# Altium PCB rezerv.PcbDoc (part 2 of 2)
Units mm, origin at the board's own origin, x right, y up, seen from the top; angles counter-clockwise.
Board outline 180 x 100 mm, 4 copper layers (Top Layer 1, Signal1, Signal2, Bottom Layer 1), stack 2.572 mm thick; 321 components, 212 nets, 1103 pads, 27 vias.
Unrouted connection lines stored in the file: 320.
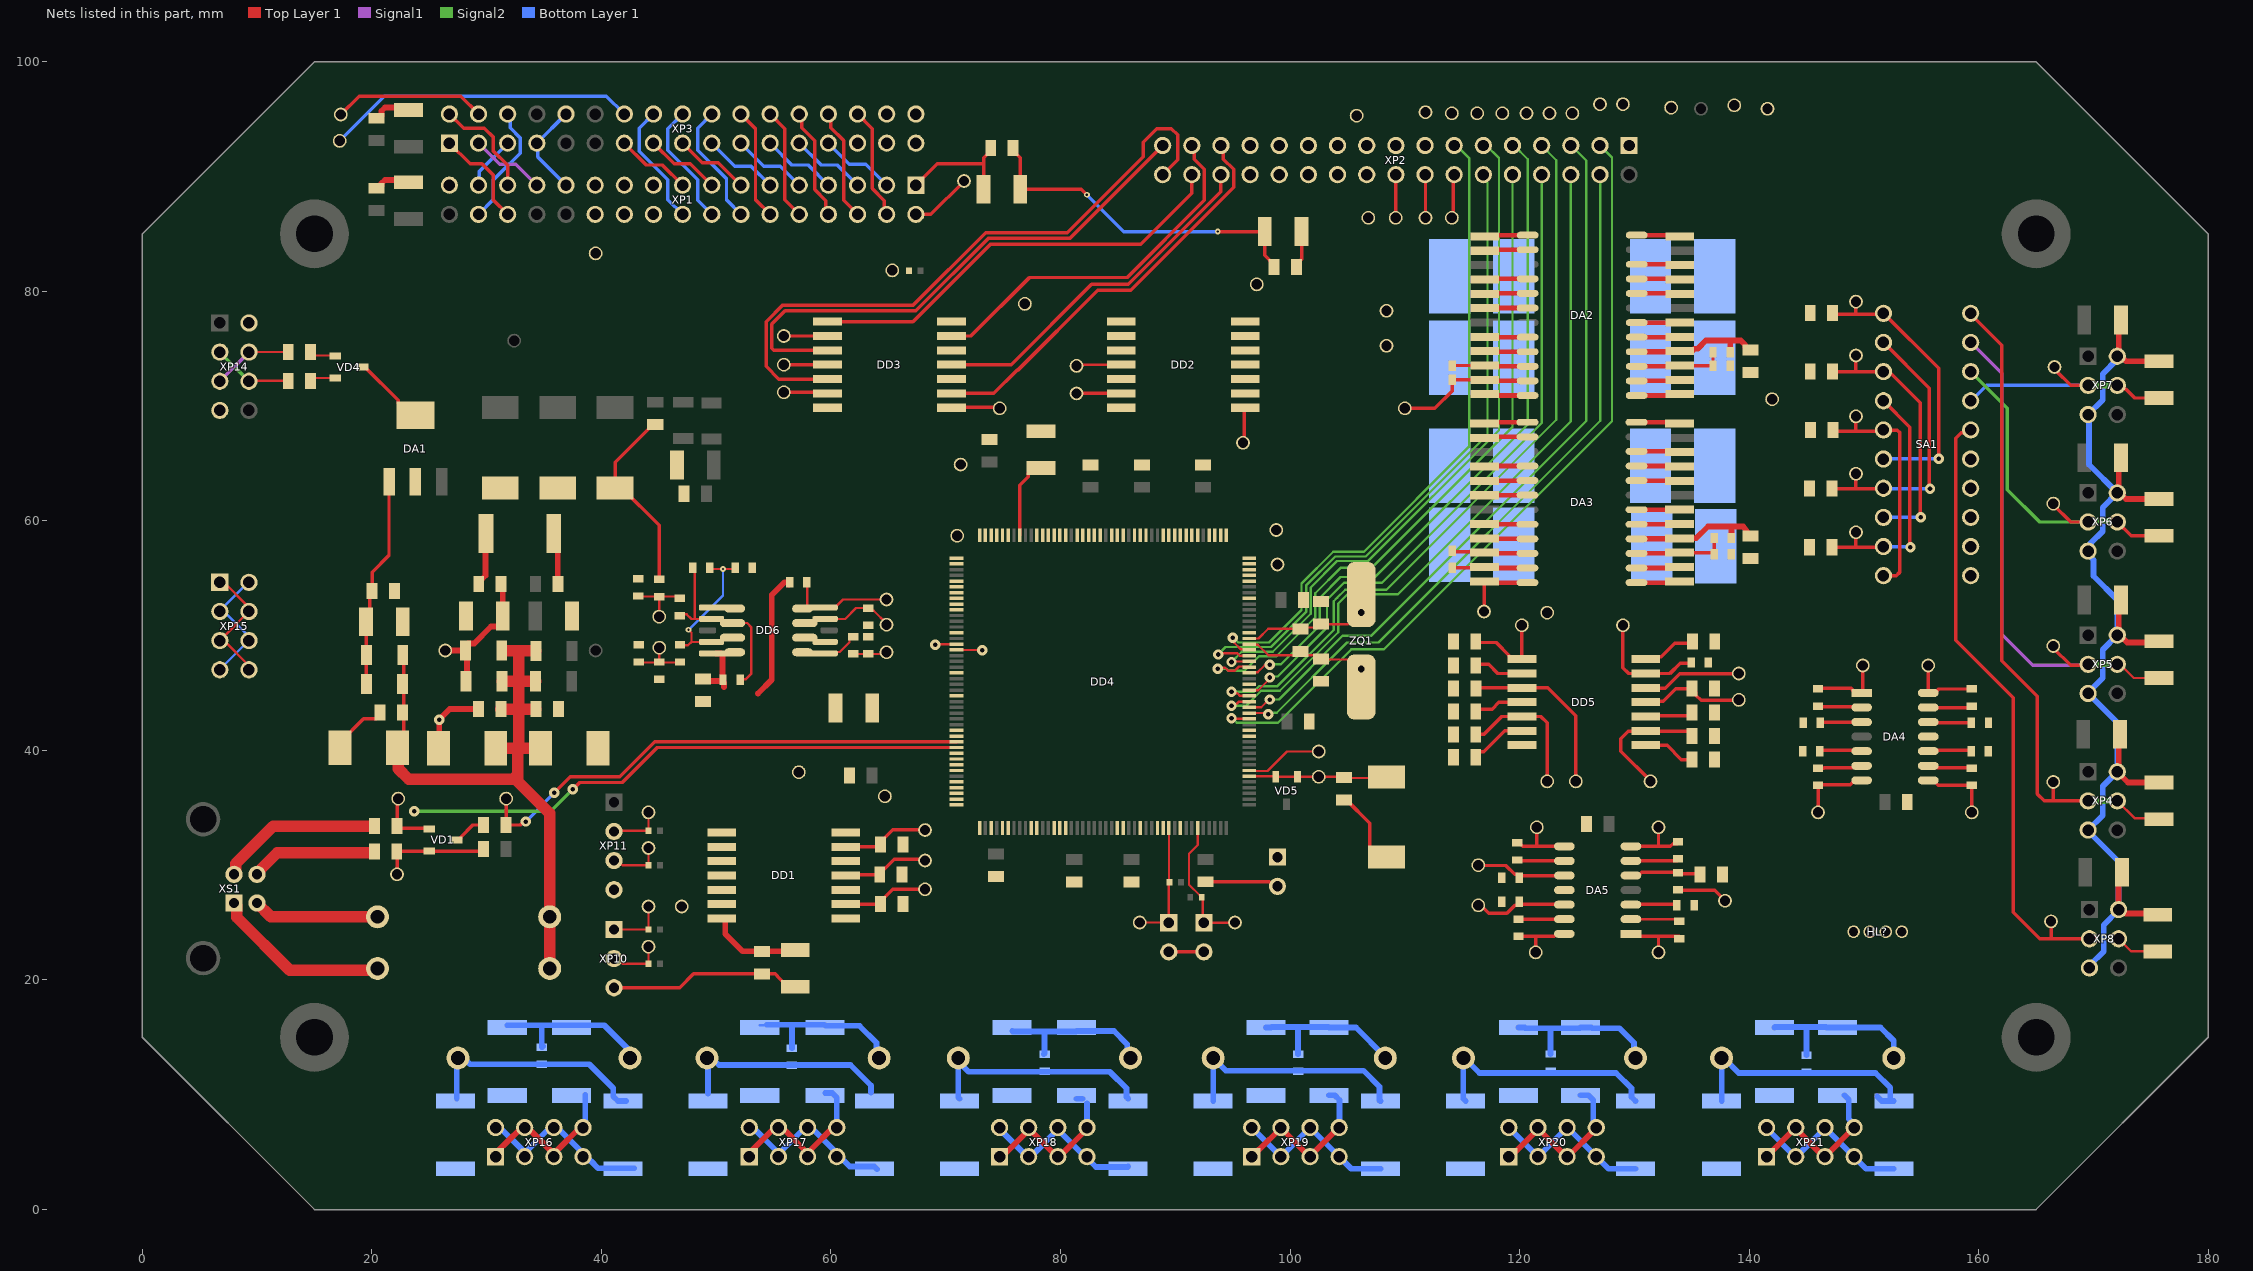
[diagram p4: the nets of this part, all layers, seen from the top]

## Via types
v1: diameter 0.9, hole 0.4, Top Layer 1 to Bottom Layer 1, 22 vias
v2: diameter 0.5, hole 0.2, Top Layer 1 to Bottom Layer 1, 4 vias
v3: diameter 0.9, hole 0.4, Signal1 to Signal2, 1 vias

## Nets (pads, with @x,y where several pads share a name; then routed paths per layer and width w, separated by ;. In a path a pad name is that pad's centre, name@x,y a point inside that pad or via, vN(x,y) a via of type N, cw(c..) or ccw(c..) an arc to the next point about the centre after c; other vN are vias at no path point) (continued)
+5V_D: C7.2 C8.1 C12.2 C24.2 C25.2 C26.1 C33.2 C34.1 C51.1 C52.1 C68.2 C69.2 DA2.16 DA3.16 DD1.14 DD2.14 DD3.14 DD5.14 DD6.8 KT42.1 L2.2 R6.2 R19.1 R20.1 R30.1 R34.2 R35.2 R36.2 R37.2 R38.2 R46.1 | length 88.2
  Top Layer 1 w0.3: C34.1@75.875,92.5 75.875,92.275 76.5,91.65 C33.2@76.5,88.9 81.8,88.9 v2(82.3,88.4) ; v2(93.7,85.2) C25.2@97.8,85.2 97.8,83.125 98.6,82.325 C26.1@98.6,82.1 ; DD5.14@131,47.95 131.2,48.15 132.35,48.15 133.517,49.317 134.775,49.317 C69.2@134.958,49.5
  Top Layer 1 w0.5: KT42.1@26.4,48.7 28.167,48.7 R6.2@28.172,48.694 ; L2.2@28.205,46.022 28.282,46.1 28.3,46.1 28.3,48.567 R6.2@28.172,48.694 ; C24.2@31.4,54.7 C12.2@31.4,51.7 31.4,51.05 31.145,50.795 30.395,50.795 28.919,49.319 28.397,49.319 28.172,49.094 R6.2@28.172,48.694 ; C68.2@48.846,46.225 49.021,46.05 R30.1@50.546,46.05 ; DD6.8@49.996,48.45 50.398,48.45 50.546,48.302 50.546,46.2 R30.1@50.596,46.15 50.596,46.1 R30.1@50.546,46.05 ; DD1.14@50.5,25.35 50.65,25.35 50.7,25.4 50.8,25.3 50.8,24 52.3,22.5 56.8,22.5 C7.2@56.9,22.6 ; 50.679,45.517 50.679,45.917 R30.1@50.546,46.05 ; 53.646,44.95 54.846,46.15 54.846,53.55 55.946,54.65 R46.1@56.246,54.65 ; R46.1@56.321,54.457 56.396,54.532 R46.1@56.396,54.65 ; DA3.16@133.936,58.479 135.379,58.479 136.4,59.5 138.45,59.5 ; DA2.16@133.95,74.78 134.05,74.88 135.123,74.88 135.243,75 135.52,75 136.22,75.7 138.34,75.7 ; R19.1@138.35,74.7 138.34,74.71 138.34,75.7 ; R20.1@138.45,58.5 138.45,59.5 ; C52.1@140.1,58.675 139.472,59.5 138.45,59.5 ; C51.1@140.1,74.875 139.875,74.875 139.65,75.1 139.65,75.32 139.27,75.7 138.34,75.7
  Bottom Layer 1 w0.3: v2(82.3,88.4) 85.5,85.2 v2(93.7,85.2)
+5V_I: C5.2 C6.2 C9.2 C10.2 C30.2 C32.2 L1.1 L2.1 L4.1 R5.1 R6.1 R18.1 VD2.K VD3.K | length 63
  Top Layer 1 w0.2: C5.2@22.242,40.216 22.242,40.742 C5.2@22.8,41.3 ; R5.1@22.699,48.323 R5.1@22.8,48.222 ; VD2.K@35.487,21.013 VD2.K@35.5,21
  Top Layer 1 w0.3: C5.2@22.8,41.3 R5.1@22.8,48.222
  Top Layer 1 w1: C5.2@22.242,40.216 22.3,40.158 22.3,38.4 23.2,37.5 32.5,37.5 ; C6.2@30.8,40.2 32.7,40.2 ; C10.2@31.25,43.6 32.8,43.6 ; L2.1@31.355,46.022 32.778,46.022 32.8,46 ; R6.1@31.394,48.694 31.4,48.7 32.8,48.7 ; 32.4,37.6 32.5,37.5 ; L4.1@34.269,46.022 32.822,46.022 32.8,46 ; C32.2@34.3,43.6 32.8,43.6 ; R18.1@34.3,48.67 34.27,48.7 32.8,48.7 ; C30.2@34.7,40.2 32.8,40.2 ; VD2.K@35.487,21.013 35.487,34.513 32.5,37.5 ; 32.5,37.5 32.7,37.5 32.7,40.2 ; 32.7,40.2 32.8,40.1 32.8,40.2 ; 32.8,40.2 32.8,43.6 ; 32.8,43.6 32.8,46 ; 32.8,46 32.8,48.7
AGND: DD4.37
BOOT0: DD4.166 KT46.1 R11.1 XP12.1 | length 10.8
  Top Layer 1 w0.2: KT46.1@86.9,25 89.423,25 XP12.1@89.435,24.988 R11.1@89.435,28.488 ; R11.1@89.45,28.5 DD4.166@89.45,33.25
BTN_CALIBR_TP: DD4.13 KT28.1 XP2.19
BTN_CH1(1)_ON: DD4.26 KT20.1 XP2.11 | length 60.1
  Top Layer 1 w0.2: v1(94.9,47.7) 94.95,47.75 DD4.26@96.45,47.75
  Signal2 w0.2: v1(94.9,47.7) 95.8,48.6 98.5,48.6 101.8,51.9 101.8,54.2 104.1,56.5 106.8,56.5 118.2,67.9 118.2,91.6 117.1,92.7 XP2.11@116.84,92.7
BTN_CH1(1)_REV: DD4.27 KT21.1 XP2.12 | length 58.4
  Top Layer 1 w0.2: v1(93.735,48.35) 93.835,48.45 95.428,48.45 95.628,48.25 DD4.27@96.45,48.25
  Signal2 w0.2: v1(93.735,48.35) 94.385,49 98.334,49 101.4,52.066 101.4,54.366 103.934,56.9 106.6,56.9 117.2,67.5 117.2,89.448 116.84,89.808 XP2.12@116.84,90.16
BTN_CH1(2)_ON: DD4.28 KT22.1 XP2.13 | length 58.1
  Top Layer 1 w0.2: v1(95.011,49.812) 95.145,49.678 95.145,49.38 95.726,48.8 96.4,48.8 DD4.28@96.45,48.75
  Signal2 w0.2: v1(95.011,49.812) 95.066,49.812 95.479,49.4 98.169,49.4 101,52.231 101,54.531 103.769,57.3 106.434,57.3 115.6,66.466 115.6,91.6 114.5,92.7 XP2.13@114.3,92.7
BTN_CH1(2)_REV: DD4.59 KT23.1 XP2.14 | length 3.8
  Top Layer 1 w0.2: KT23.1@114.1,86.4 KT23.1@114.2,86.5 ; XP2.14@114.2,90.06 XP2.14@114.3,90.16
  Top Layer 1 w0.3: KT23.1@114.2,86.5 XP2.14@114.2,90.06
BTN_CH2(1)_ON: DD4.60 KT24.1 XP2.15
BTN_CH2(1)_REV: DD4.63 KT25.1 XP2.16 | length 3.8
  Top Layer 1 w0.2: XP2.16@111.76,90.16 XP2.16@111.8,90.12
  Top Layer 1 w0.3: KT25.1@111.8,86.4 XP2.16@111.8,90.12
BTN_CH2(2)_ON: DD4.64 KT26.1 XP2.17
BTN_CH2(2)_REV: DD4.65 KT27.1 XP2.18 | length 3.8
  Top Layer 1 w0.3: KT27.1@109.2,86.4 109.22,86.42 XP2.18@109.22,90.16
BTN_PAGE_DOWN: DD4.25 KT19.1 XP2.10 | length 60.8
  Top Layer 1 w0.2: v1(93.7,47.1) 93.806,47.206 94.333,47.206 94.589,46.95 95.211,46.95 95.561,47.3 96.4,47.3 DD4.25@96.45,47.25
  Signal2 w0.2: v1(93.7,47.1) 94.439,47.1 94.589,46.95 96.05,46.95 97.3,48.2 98.8,48.2 102.2,51.6 102.2,53.7 104.4,55.9 107.1,55.9 119.38,68.18 XP2.10@119.38,90.16
BTN_PAGE_UP: DD4.16 KT12.1 XP2.3 | length 70.2
  Top Layer 1 w0.2: v1(94.9,42.8) 94.95,42.75 DD4.16@96.45,42.75
  Signal2 w0.2: v1(94.9,42.8) 94.967,42.8 95.367,42.4 98.942,42.4 104.65,48.108 105.342,48.8 108.166,48.8 128.05,68.684 128.05,91.65 XP2.3@127,92.7
BTN_PROG1: DD4.17 KT13.1 XP2.4 | length 62.6
  Top Layer 1 w0.2: DD4.17@96.45,43.25 98,43.25 v1(98.1,43.15)
  Signal2 w0.2: v1(98.1,43.15) 98.23,43.28 98.85,43.28 104.97,49.4 107.7,49.4 127.02,68.72 XP2.4@127.02,90.141
BTN_PROG2: DD4.18 KT14.1 XP2.5 | length 64.3
  Top Layer 1 w0.2: DD4.18@96.45,43.75 97.491,43.75 98.171,44.429 v1(98.235,44.429)
  Signal2 w0.2: v1(98.235,44.429) 99.029,44.429 104.6,50 107.1,50 125.8,68.7 125.8,91.4 124.5,92.7 XP2.5@124.46,92.7
BTN_PROG3: DD4.19 KT15.1 XP2.6 | length 64.5
  Top Layer 1 w0.2: v1(94.9,43.9) 95.034,44.034 95.334,44.034 95.55,44.25 DD4.19@96.45,44.25
  Signal2 w0.2: v1(94.9,43.9) 96.2,43.9 97.5,45.2 99.1,45.2 104.2,50.3 104.2,52.8 105,53.6 109.4,53.6 124.46,68.66 XP2.6@124.46,90.16
BTN_PROG4: DD4.20 KT16.1 XP2.7 | length 65.7
  Top Layer 1 w0.2: v1(94.9,45.1) 95.03,44.97 95.43,44.97 95.65,44.75 DD4.20@96.45,44.75
  Signal2 w0.2: v1(94.9,45.1) 96.834,45.1 97.334,45.6 98.9,45.6 103.8,50.5 103.8,53 104.1,53.3 104.8,54 108.4,54 123.2,68.8 123.2,91.42 XP2.7@121.92,92.7
BTN_PROG5: DD4.21 KT17.1 XP2.8 | length 58.2
  Top Layer 1 w0.2: DD4.21@96.45,45.25 96.467,45.233 97.233,45.233 98.235,46.235 v1(98.235,46.35)
  Signal2 w0.2: v1(98.235,46.35) 98.315,46.429 98.929,46.429 103.217,50.717 103.217,53.117 104.7,54.6 108,54.6 121.92,68.52 XP2.8@121.92,90.16
BTN_PROG6: DD4.24 KT18.1 XP2.9 | length 59.5
  Top Layer 1 w0.2: DD4.24@96.45,46.75 96.75,46.75 96.8,46.8 97.174,46.8 97.789,47.415 97.832,47.415 97.833,47.416 98.201,47.416 v1(98.235,47.45)
  Signal2 w0.2: v1(98.235,47.45) 98.285,47.5 99.2,47.5 102.6,50.9 102.6,53.3 104.4,55.1 107.4,55.1 120.7,68.4 120.7,91.5 119.5,92.7 XP2.9@119.38,92.7
DS_MISO: DA2.13 DA3.13 DD4.52 KT61.1
DS_MOSI: DA2.12 DA3.12 DD4.53 KT60.1 | length 2.7
  Top Layer 1 w0.2: KT60.1@116.9,52.1 KT60.1@116.936,52.136 ; DA3.12@116.936,54.729 116.936,54.629 DA3.12@116.946,54.619
  Top Layer 1 w0.3: KT60.1@116.936,52.136 DA3.12@116.936,54.629
GND: C1.1 C2.1 C3.1 C4.1 C5.1 C6.1 C7.1 C8.2 C9.1 C10.1 C11.1 C12.1 C23.1 C24.1 C25.1 C26.2 C27.1 C28.1 C29.1 C31.1 C33.1 C34.2 C39.1 C40.1 C41.1 C42.1 C43.1 C44.1 C45.1 C46.1 C47.1 C48.1 C49.1 C50.1 C51.2 C52.2 C61.1 C62.1 C63.1 C64.1 C65.1 C66.1 C67.1 C68.1 C69.1 DA1.2 DA1.4 DA2.9 DA3.9 DD1.7 DD2.7 DD3.7 DD4.14 DD4.22 DD4.48 DD4.61 DD4.71 DD4.90 DD4.102 DD4.113 DD4.126 DD4.135 DD4.148 DD4.158 DD5.7 DD6.5 HL?.3 R4.1 R17.1 R21.1 R22.1 R39.2 R52.2 R53.2 R54.2 R55.1 R61.1 R63.1 R73.1 R75.1 R77.1 R79.1 R81.1 R83.1 VD1.A VD3.A VD4.A XP1.1 XP1.25 XP1.33 XP2.1 XP3.7 XP3.10 XP9.2 XP10.3 XP11.4 XP12.2 XP13.2 XP14.2 XP14.7 XS1.4 | length 116.3
  Top Layer 1 w0.2: C1.1@22.9,89.2 C1.1@23.2,89.5
  Top Layer 1 w0.3: C5.1@17.242,40.216 17.242,40.716 19.276,42.75 20.4,42.75 20.725,43.075 C9.1@20.725,43.3 ; VD4.A@19.2,73.4 19.4,73.4 22.3,70.5 22.3,70.25 23.35,69.2 DA1.4@23.8,69.2 ; VD1.A@27.4,32.2 27.6,32.2 27.75,32.35 27.75,32.45 28.8,33.5 R4.1@29.725,33.5 ; XP10.3@41.1,19.32 46.82,19.32 48.025,20.525 C8.2@54,20.525 55.15,20.525 55.376,20.299 55.376,20.274 56.25,19.4 C7.1@56.9,19.4 ; C31.1@44.693,68.383 44.468,68.383 41.193,65.108 C29.1@41.193,62.858 41.793,62.858 45.046,59.605 C65.1@45.046,54.9 ; XP1.1@67.4,89.24 69.26,91.1 73.3,91.1 ; C33.1@73.3,88.9 73.3,91.1 ; C34.2@73.925,92.5 73.925,92.275 73.3,91.65 73.3,91.1 ; XP12.2@89.435,22.448 XP9.2@92.495,22.448 ; C49.1@92.647,28.559 98.177,28.559 98.575,28.16 XP13.2@98.9,28.16 ; C26.2@100.55,82.1 100.55,82.325 101,82.775 C25.1@101,85.2 ; C67.1@104.692,35.678 104.917,35.678 106.95,33.645 106.95,31.55 107.8,30.7 C66.1@108.4,30.7
  Top Layer 1 w0.5: C2.1@20.4,88.975 20.625,88.975 20.85,89.2 20.85,89.407 21.143,89.7 23,89.7 C1.1@23.2,89.5 ; C4.1@20.4,95.075 20.625,95.075 20.85,95.3 20.85,95.707 21.143,96 23,96 C3.1@23.2,95.8 ; C6.1@25.8,40.2 25.8,40.7 25.7,40.8 25.877,40.977 v1(25.877,42.68) 25.88,42.68 26.8,43.6 C10.1@29.3,43.6 ; C24.1@29.317,54.483 29.317,54.708 29.542,54.933 29.607,54.933 29.9,55.226 29.9,58.85 R17.1@29.95,58.9
  Top Layer 1 w1: XS1.4@10,26.7 11.2,25.5 VD3.A@20.5,25.5
  Bottom Layer 1 w0.3: XP1.25@36.92,89.24 34.46,91.7 34.46,92.82 XP3.7@34.38,92.9 XP3.10@36.92,95.44
GNDA: C13.1 C14.1 C15.1 C16.1 C17.1 C18.1 C19.1 C20.1 C21.1 C22.1 C30.1 C32.1 C35.1 C36.1 C37.1 C38.1 C53.1 C54.1 C55.1 C56.1 C57.1 C58.1 C59.1 C60.1 C70.1 C71.1 DA2.1 DA2.2 DA2.5 DA2.6 DA2.17 DA2.20 DA2.21 DA2.24 DA3.1 DA3.2 DA3.5 DA3.6 DA3.17 DA3.20 DA3.21 DA3.24 DA4.11 DA5.11 R17.2 R56.1 R57.1 R58.1 R59.1 R60.1 XP4.2 XP4.5 XP5.2 XP5.5 XP6.2 XP6.5 XP7.2 XP7.5 XP8.2 XP8.5 | length 102.5
  Top Layer 1 w0.2: R17.2@35.85,58.9 R17.2@36.2,58.55 ; C38.1@36.2,54.508 C38.1@36.226,54.483
  Top Layer 1 w0.5: C38.1@36.2,54.508 R17.2@36.2,58.55 ; C21.1@172.185,28.988 XP8.2@172.185,26.128 172.456,26.128 172.796,25.788 C22.1@175.585,25.788 ; C13.1@172.3,41.4 172.2,41.3 172.2,38.27 XP4.2@172.07,38.14 173.01,37.2 175.6,37.2 C14.1@175.7,37.2 ; C15.1@172.4,53.1 172.2,52.9 172.2,50.17 XP5.2@172.07,50.04 172.297,50.04 172.937,49.4 175.6,49.4 C16.1@175.7,49.5 ; C17.1@172.4,65.5 172.2,65.3 172.2,62.57 XP6.2@172.07,62.44 172.297,62.44 172.837,61.9 C18.1@175.7,61.9 ; C19.1@172.4,77.5 172.2,77.3 172.2,74.47 XP7.2@172.07,74.34 172.397,74.34 172.837,73.9 C20.1@175.7,73.9
  Bottom Layer 1 w0.5: XP8.5@169.645,21.048 169.645,21.248 170.885,22.488 170.885,24.788 172.185,26.088 XP8.2@172.185,26.128 172.185,30.315 169.53,32.97 XP4.5@169.53,33.06 170.8,34.33 170.8,36.87 XP4.2@172.07,38.14 172.07,42.43 169.54,44.96 XP5.5@169.53,44.96 169.53,45.03 170.8,46.3 170.8,48.77 XP5.2@172.07,50.04 172.07,53.13 170,55.2 170,56.593 169.53,57.063 XP6.5@169.53,57.36 169.721,57.551 169.721,58.021 170.8,59.1 170.8,61.17 XP6.2@172.07,62.44 169.6,64.91 169.6,69.2 169.54,69.26 XP7.5@169.53,69.26 170.8,70.53 170.8,72.8 172.07,74.07 XP7.2@172.07,74.34
IN_SYNC: KT73.1 R40.2 R82.1 | length 4.5
  Top Layer 1 w0.3: R40.2@133.8,27.85 133.8,27.8 137,27.8 KT73.1@137.9,26.9
IN_SYNC_MCU: DA5.7 DD4.67 DD4.168 KT89.1 R69.1 | length 5.9
  Top Layer 1 w0.3: DA5.7@129.7,31.64 132.1,31.64 ; KT89.1@132.1,33.3 132.1,31.64 ; R69.1@133.8,31.95 133.725,31.875 133.375,31.875 133.14,31.64 132.1,31.64
LCD_CS: DD4.157 XP1.21 XP3.33
LCD_D0: DD4.104 XP1.4 XP3.30 | length 11.7
  Top Layer 1 w0.2: v1(69.1,49.2) 69.15,49.25 DD4.104@70.95,49.25
  Top Layer 1 w0.3: XP3.30@62.32,95.44 63.59,94.17 63.59,88.954 64.644,87.9 64.644,86.916 XP1.4@64.86,86.7
LCD_D1: DD4.105 XP1.3 XP3.27 | length 8.8
  Top Layer 1 w0.2: DD4.105@70.95,48.75 73.15,48.75 v1(73.175,48.725)
  Bottom Layer 1 w0.3: XP3.27@59.78,92.9 61.61,91.07 63.03,91.07 XP1.3@64.86,89.24
LCD_D2: DD4.142 XP1.6 XP3.28 | length 9.8
  Top Layer 1 w0.3: XP3.28@59.78,95.44 59.996,95.224 59.996,94.24 61.1,93.136 61.1,87.92 XP1.6@62.32,86.7
LCD_D3: DD4.143 XP1.5 XP3.25 | length 6.6
  Bottom Layer 1 w0.3: XP3.25@57.24,92.9 59.14,91 60.56,91 XP1.5@62.32,89.24
LCD_D4: DD4.68 XP1.8 XP3.26 | length 9.8
  Top Layer 1 w0.3: XP3.26@57.24,95.44 57.456,95.224 57.456,94.24 58.6,93.096 58.6,88.864 59.564,87.9 59.564,86.916 XP1.8@59.78,86.7
LCD_D5: DD4.69 XP1.7 XP3.23 | length 6.7
  Bottom Layer 1 w0.3: XP3.23@54.7,92.9 54.8,92.9 54.8,92.8 56.6,91 58.02,91 XP1.7@59.78,89.24
LCD_D6: DD4.70 XP1.10 XP3.24 | length 9.8
  Top Layer 1 w0.3: XP3.24@54.7,95.44 55.97,94.17 55.97,87.97 XP1.10@57.24,86.7
LCD_D7: DD4.73 XP1.9 XP3.21 | length 6.6
  Bottom Layer 1 w0.3: XP3.21@52.16,92.9 54.16,90.9 55.58,90.9 XP1.9@57.24,89.24
LCD_D8: DD4.74 XP1.12 XP3.22 | length 9.8
  Top Layer 1 w0.3: XP3.22@52.16,95.44 53.43,94.17 53.43,87.97 XP1.12@54.7,86.7
LCD_D9: DD4.75 XP1.11 XP3.19 | length 6.6
  Bottom Layer 1 w0.3: XP3.19@49.62,92.9 51.62,90.9 53.04,90.9 XP1.11@54.7,89.24
LCD_D10: DD4.76 XP1.14 XP3.20 | length 10.8
  Bottom Layer 1 w0.3: XP3.20@49.62,95.44 48.4,94.22 48.4,92.3 50.9,89.8 50.9,87.96 XP1.14@52.16,86.7
LCD_D11: DD4.77 XP1.13 XP3.17 | length 6.6
  Top Layer 1 w0.3: XP3.17@47.08,92.9 48.78,91.2 50.2,91.2 XP1.13@52.16,89.24
LCD_D12: DD4.78 XP1.16 XP3.18 | length 10.9
  Bottom Layer 1 w0.3: XP3.18@47.08,95.44 45.8,94.16 45.8,92.3 48.4,89.7 48.4,87.92 XP1.16@49.62,86.7
LCD_D13: DD4.96 XP1.15 XP3.15 | length 6.6
  Top Layer 1 w0.3: XP3.15@44.54,92.9 46.34,91.1 47.76,91.1 XP1.15@49.62,89.24
LCD_D14: DD4.97 XP1.18 XP3.16 | length 10.8
  Bottom Layer 1 w0.3: XP3.16@44.54,95.44 43.3,94.2 43.3,92.2 45.8,89.7 45.8,87.98 XP1.18@47.08,86.7
LCD_D15: DD4.98 XP1.17 XP3.13 | length 6.6
  Top Layer 1 w0.3: XP3.13@42,92.9 43.9,91 45.32,91 XP1.17@47.08,89.24
LCD_RD: DD4.146 XP1.22 XP3.32
LCD_RS: DD4.109 XP1.19 XP3.34 | length 0.3
  Signal1 w0.3: XP3.34@67.17,95.67 XP3.34@67.4,95.44
LCD_WR: DD4.147 XP1.20 XP3.31
LED_CH1(1)_I_B: DD2.5 DD4.83 KT38.1
LED_CH1(1)_I_G: DD2.3 DD4.46 KT37.1
LED_CH1(1)_I_R: DD2.1 DD4.45 KT36.1 | length 3.1
  Top Layer 1 w0.2: KT36.1@95.9,66.8 95.9,66.9 KT36.1@96,67 ; DD2.1@96,69.75 DD2.1@96.1,69.85
  Top Layer 1 w0.3: KT36.1@96,67 DD2.1@96,69.75
LED_CH1(1)_O_B: DD2.6 XP2.25
LED_CH1(1)_O_G: DD2.4 XP2.24
LED_CH1(1)_O_R: DD2.2 XP2.23
LED_CH1(2)_I_B: DD3.5 DD4.89 KT50.1
LED_CH1(2)_I_G: DD3.3 DD4.88 KT49.1
LED_CH1(2)_I_R: DD3.1 DD4.87 KT48.1 | length 4.3
  Top Layer 1 w0.3: DD3.1@70.5,69.85 70.55,69.9 74.6,69.9 KT48.1@74.7,69.8
LED_CH1(2)_O_B: DD3.6 XP2.31 | length 32.2
  Top Layer 1 w0.3: DD3.6@70.5,76.1 72.2,76.1 77.3,81.2 85.8,81.2 92.54,87.94 92.54,90.616 91.656,91.5 91.656,92.484 XP2.31@91.44,92.7
LED_CH1(2)_O_G: DD3.4 XP2.30 | length 31.2
  Top Layer 1 w0.3: DD3.4@70.5,73.6 75.7,73.6 82.7,80.6 85.907,80.6 93.98,88.673 XP2.30@93.98,90.16
LED_CH1(2)_O_R: DD3.2 XP2.29 | length 36.1
  Top Layer 1 w0.3: DD3.2@70.5,71.1 74.2,71.1 76.2,73.1 76.257,73.1 83.254,80.096 86.111,80.096 95.08,89.066 95.08,90.616 94.196,91.5 94.196,92.484 XP2.29@93.98,92.7
LED_CH2(1)_I_B: DD2.13 DD4.86 KT41.1 | length 4.3
  Top Layer 1 w0.3: KT41.1@81,71.1 DD2.13@85.3,71.1
LED_CH2(1)_I_G: DD2.11 DD4.85 KT40.1 | length 3.9
  Top Layer 1 w0.2: KT40.1@81.4,73.5 81.5,73.6 84.5,73.6 DD2.11@85.3,73.6
LED_CH2(1)_I_R: DD2.9 DD4.84 KT39.1
LED_CH2(1)_O_B: DD2.12 XP2.28
LED_CH2(1)_O_G: DD2.10 XP2.27
LED_CH2(1)_O_R: DD2.8 XP2.26
LED_CH2(2)_I_B: DD3.13 DD4.130 KT53.1 | length 4.1
  Top Layer 1 w0.2: DD3.13@59.65,71.05 DD3.13@59.7,71.1
  Top Layer 1 w0.3: KT53.1@55.9,71.2 DD3.13@59.95,71.2
LED_CH2(2)_I_G: DD3.11 DD4.129 KT52.1 | length 3.8
  Top Layer 1 w0.2: DD3.11@59.1,73.6 DD3.11@59.7,73.6
  Top Layer 1 w0.3: KT52.1@55.9,73.6 DD3.11@59.1,73.6
LED_CH2(2)_I_R: DD3.9 DD4.128 KT51.1 | length 3.9
  Top Layer 1 w0.3: KT51.1@55.8,76.1 DD3.9@59.7,76.1
LED_CH2(2)_O_B: DD3.12 XP2.34 | length 57.5
  Top Layer 1 w0.3: DD3.12@59.7,72.35 55.45,72.35 54.349,73.451 54.349,77.356 55.793,78.8 67.186,78.8 73.486,85.1 80.593,85.1 87.196,91.704 87.196,92.996 88.376,94.176 89.649,94.176 90.2,93.624 90.2,91.46 XP2.34@88.9,90.16
LED_CH2(2)_O_G: DD3.10 XP2.33 | length 47.5
  Top Layer 1 w0.3: DD3.10@59.7,74.85 55.024,74.85 54.849,75.026 54.849,77.149 56,78.3 67.393,78.3 73.693,84.6 74,84.6 80.8,84.6 XP2.33@88.9,92.7
LED_CH2(2)_O_R: DD3.8 XP2.32 | length 38
  Top Layer 1 w0.3: DD3.8@59.7,77.35 67.15,77.35 73.9,84.1 87,84.1 91.44,88.54 XP2.32@91.44,90.16
LED_DEBUG_I_B: DD1.5 DD4.44 KT8.1
LED_DEBUG_I_G: DD1.3 DD4.43 KT7.1
LED_DEBUG_I_R: DD1.1 DD4.7 KT6.1 | length 6.8
  Top Layer 1 w0.2: DD4.7@96.45,38.25 96.55,38.25 96.6,38.2 98.026,38.2 99.726,39.9 KT6.1@102.5,39.9
LED_DEBUG_O_B: DD1.6 KT93.1 R84.2 | length 6.6
  Top Layer 1 w0.3: DD1.6@62.4,31.6 64.125,31.6 64.125,31.825 64.7,32.4 65.4,33.1 68.157,33.1 KT93.1@68.2,33.057
LED_DEBUG_O_G: DD1.4 KT95.1 R85.2 | length 8.6
  Top Layer 1 w0.3: DD1.4@60.361,29.161 64.211,29.161 R85.2@64.25,29.2 ; DD1.4@61.3,29.1 DD1.4@61.361,29.161 ; R85.2@64.2,29.2 64.7,29.7 65.5,30.5 68.1,30.5 KT95.1@68.2,30.4
LED_DEBUG_O_R: DD1.2 KT94.1 R86.2 | length 8.7
  Top Layer 1 w0.3: DD1.2@60.3,26.6 64.213,26.6 R86.2@64.325,26.6 64.325,26.825 64.7,27.2 65.4,27.9 KT94.1@68.3,27.9
LED_PWR_I_B: DD1.13 DD4.133 KT11.1
LED_PWR_I_G: DD1.11 DD4.132 KT10.1
LED_PWR_I_R: DD1.9 DD4.131 KT9.1
LED_PWR_O_B: DD1.12 XP2.22
LED_PWR_O_G: DD1.10 XP2.21
LED_PWR_O_R: DD1.8 XP2.20
LEV_CH1(1): C14.2 KT31.1 SA1.11 XP4.3 XP4.4 | length 57.7
  Top Layer 1 w0.2: XP4.4@172.07,35.6 173.57,34.1 175.7,34.1 C14.2@175.7,34
  Top Layer 1 w0.3: SA1.11@159.3,78.08 159.3,78 162,75.3 162,47.8 165.1,44.7 165.1,36.2 165.7,35.6 166.4,35.6 ; KT31.1@166.5,37.4 166.5,37.1 166.5,35.7 166.4,35.6 ; XP4.3@169.53,35.6 166.4,35.6
  Signal2 w0.5: XP4.3@169.53,35.6 XP4.4@172.07,35.6
LEV_CH1(2): C18.2 KT33.1 SA1.13 XP6.3 XP6.4 | length 30.4
  Top Layer 1 w0.3: KT33.1@166.5,61.5 166.5,61.4 168,59.9 XP6.3@169.53,59.9 ; XP6.4@172.07,59.9 173.27,58.7 175.6,58.7 C18.2@175.7,58.7
  Signal2 w0.3: SA1.13@159.3,73 162.5,69.8 162.5,62.7 165.3,59.9 XP6.3@169.53,59.9
  Signal2 w0.5: XP6.3@169.53,59.9 169.63,60 172.1,60 172.07,59.97 XP6.4@172.07,59.9
LEV_CH2(1): C16.2 KT32.1 SA1.12 XP5.3 XP5.4 | length 45.8
  Top Layer 1 w0.2: XP5.4@172.07,47.5 172.3,47.5 173.5,46.3 C16.2@175.7,46.3
  Top Layer 1 w0.3: KT32.1@166.5,49.1 166.5,48.9 168,47.4 169.43,47.4 XP5.3@169.53,47.5
  Signal1 w0.3: SA1.12@159.3,75.54 162,72.84 162,50.1 164.7,47.4 169.43,47.4 XP5.3@169.53,47.5
  Signal2 w0.5: XP5.3@169.53,47.5 XP5.4@172.07,47.5
LEV_CH2(2): C20.2 KT34.1 SA1.14 XP7.3 XP7.4 | length 21
  Top Layer 1 w0.3: KT34.1@166.7,73.1 168,71.8 169.6,71.8 XP7.3@169.53,71.8 ; XP7.4@172.07,71.8 172.422,71.8 172.749,71.473 172.827,71.473 173.6,70.7 C20.2@175.7,70.7
  Signal2 w0.5: XP7.3@169.53,71.8 XP7.4@172.07,71.8
  Bottom Layer 1 w0.2: SA1.14@159.3,70.4 SA1.14@159.3,70.46